# Altium PCB HBS V1.0.PcbDoc (part 4 of 4)
Units mil, origin at the board's own origin, x right, y up, seen from the top; angles counter-clockwise.
Board outline 5405 x 4190 mil, 4 copper layers (Top Layer, Internal Plane 1, Internal Plane 2, Bottom Layer), stack 18.2 mil thick; 428 components, 294 nets, 1249 pads, 155 vias.
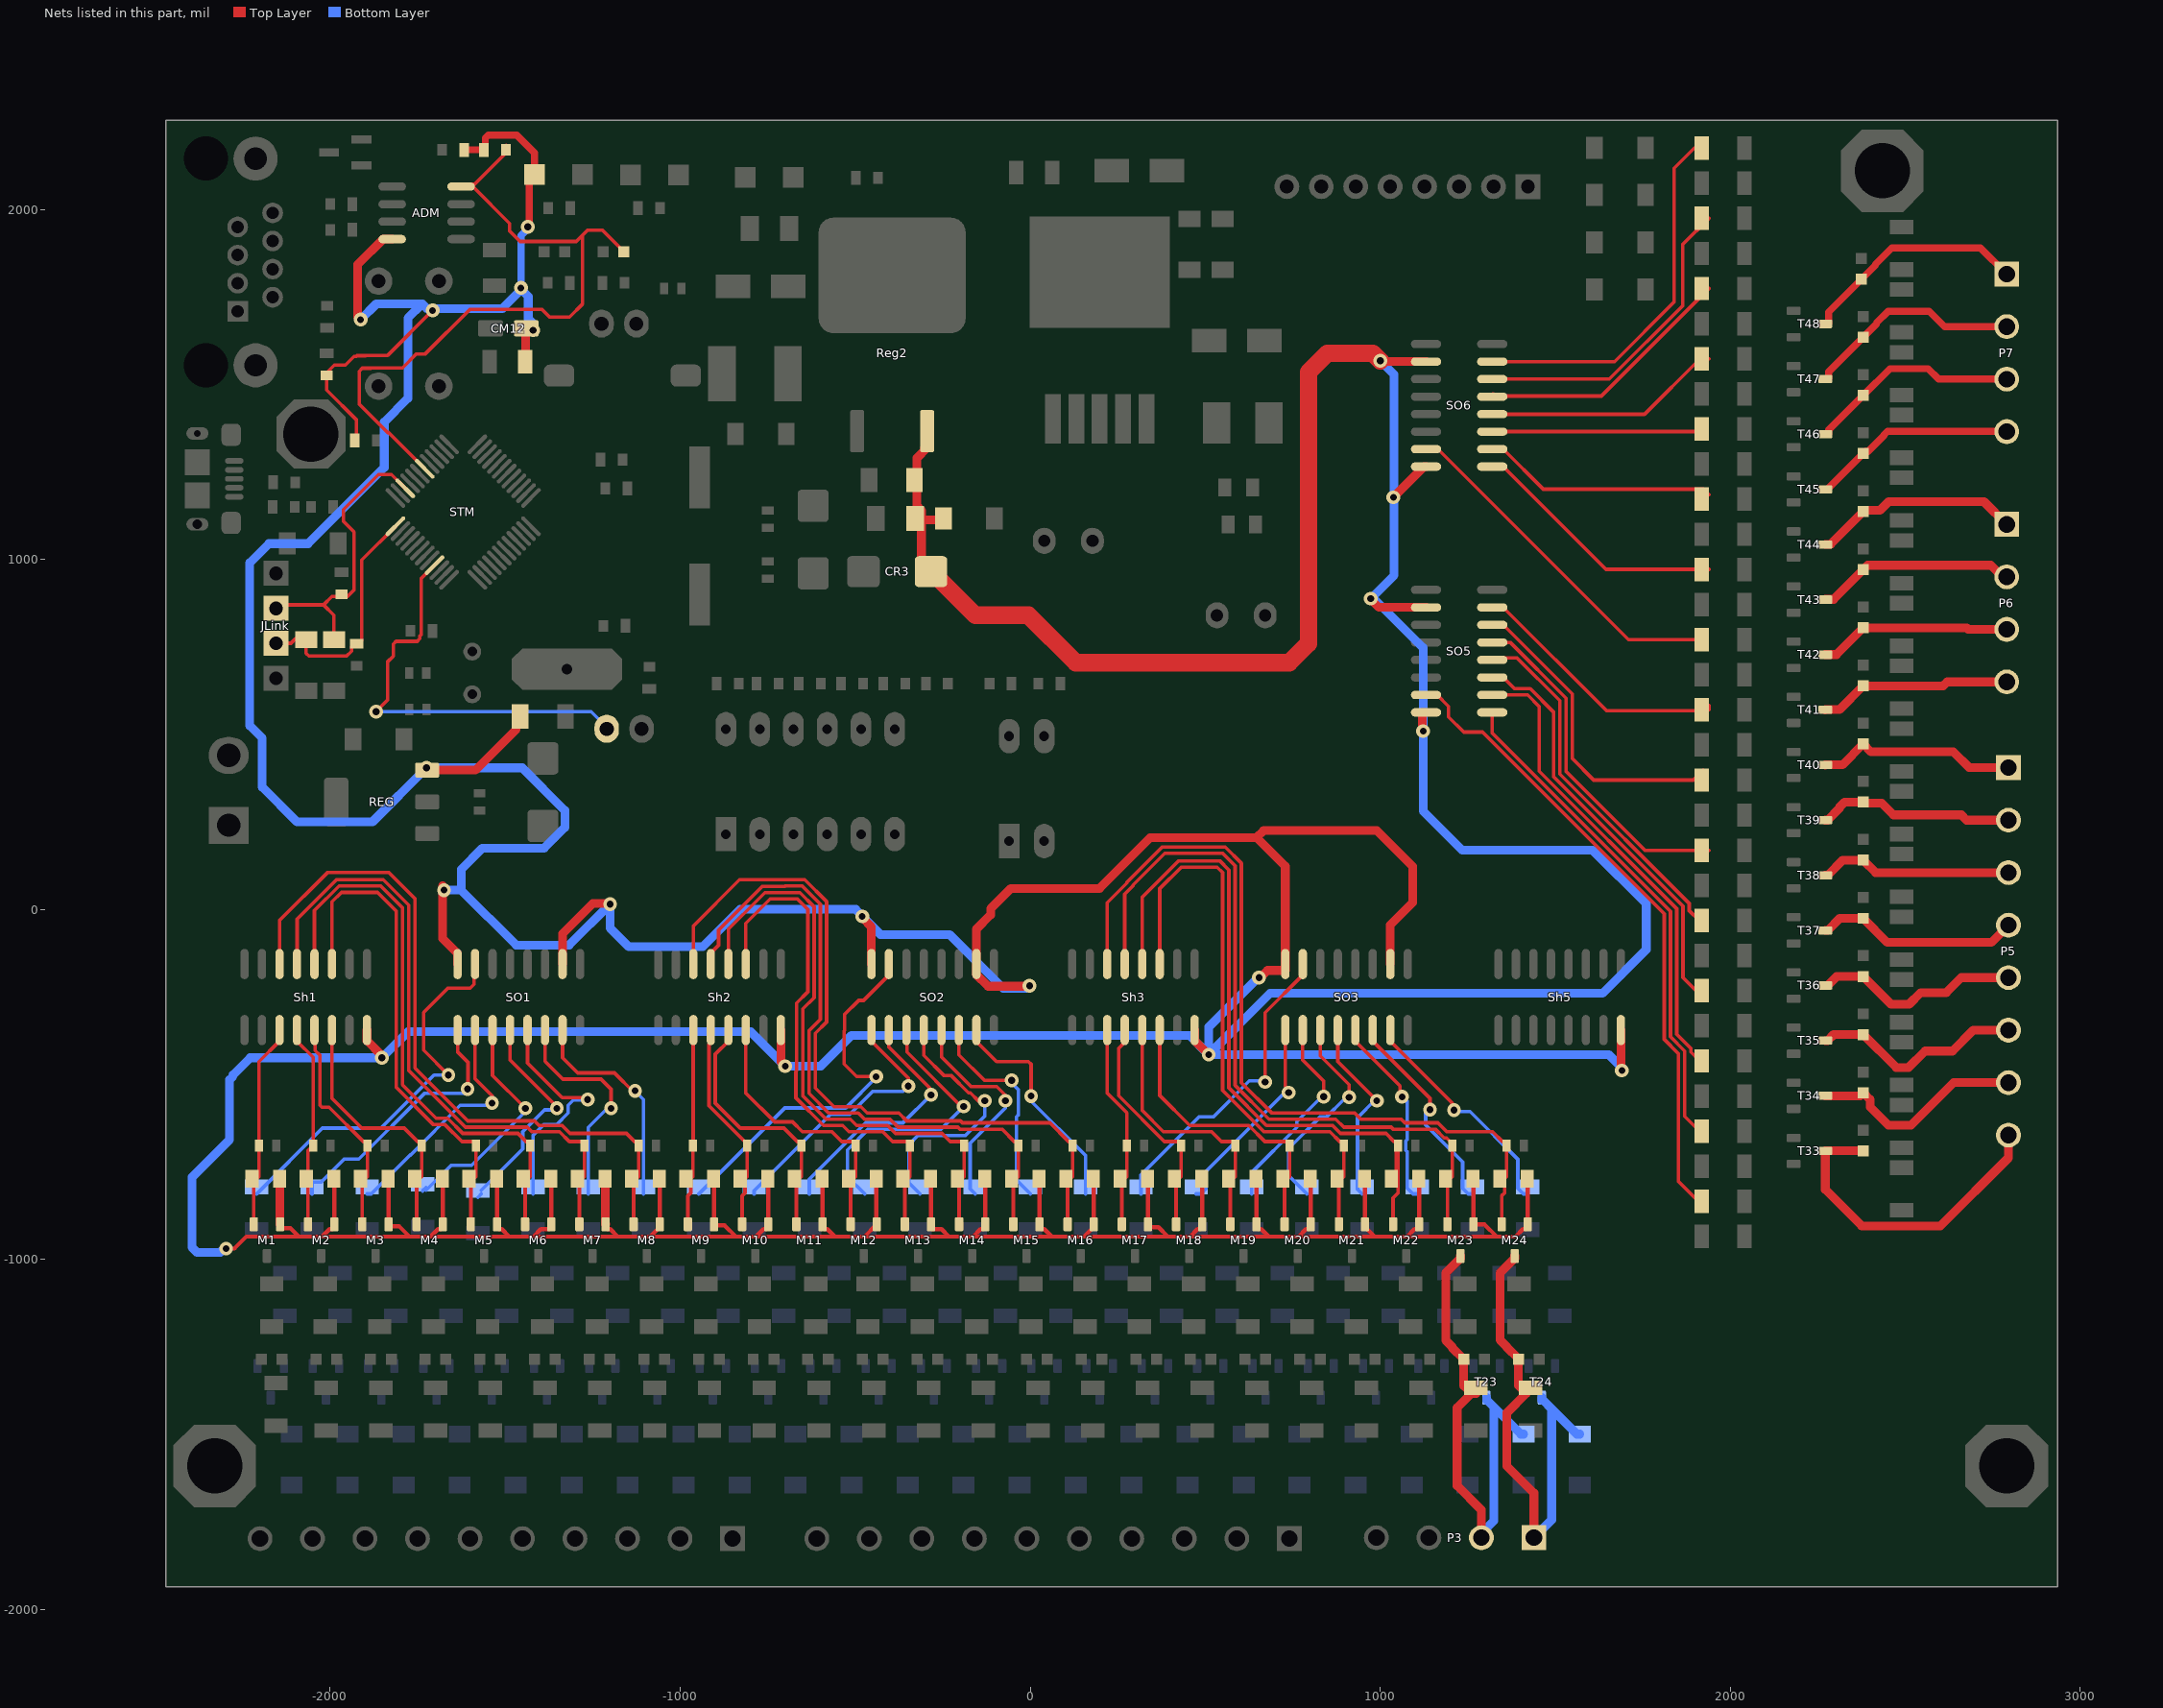
[diagram p6: the nets of this part, all layers, seen from the top]

## Via types
v1: diameter 39.37, hole 19.68, Top Layer to Bottom Layer, 154 vias
v2: diameter 78.74, hole 39.37, Top Layer to Bottom Layer, 1 vias

## Nets (pads, with @x,y where several pads share a name; then routed paths per layer and width w, separated by ;. In a path a pad name is that pad's centre, name@x,y a point inside that pad or via, vN(x,y) a via of type N, cw(c..) or ccw(c..) an arc to the next point about the centre after c; other vN are vias at no path point) (continued)
SI24_22: DT23.2 L23.2 M23.3 P3.2 RJ23.1 T23.3 | length 1451.4
  Top Layer w25: M23.3@1229.21,-990.2 1229.21,-996.69 1187.48,-1038.42 1187.48,-1231.32 1205.43,-1249.27 1205.43,-1251.89 L23.2@1238.54,-1285 1238.54,-1360.56 RJ23.1@1260.77,-1382.8 ; RJ23.1@1273.57,-1382.8 RJ23.1@1260.77,-1382.8 ; P3.2@1289.04,-1795 1289.04,-1715.7 1219.73,-1646.39 1219.73,-1423.84 RJ23.1@1260.77,-1382.8
  Bottom Layer w25: P3.2@1289.04,-1795 1289.04,-1782.59 1325,-1746.63 1325,-1422.27 ; T23.3@1303.87,-1395 1303.87,-1401.5 1304.56,-1402.19 1304.92,-1402.19 1325,-1422.27 ; DT23.2@1409.72,-1499.11 1401.84,-1499.11 1325,-1422.27
SI24_23: DT24.2 L24.2 M24.3 P3.1 RJ24.1 T24.3 | length 1453.2
  Top Layer w25: M24.3@1384.21,-990.2 1384.21,-996.69 1342.48,-1038.42 1342.48,-1230.15 1361.6,-1249.27 1361.6,-1251.1 L24.2@1394.71,-1284.21 ; L24.2@1395.47,-1284.98 L24.2@1394.71,-1284.21 ; P3.1@1439.04,-1795 1439.04,-1667.74 1361.3,-1590 1361.3,-1514.35 1361.6,-1514.05 1361.6,-1438.4 1417.2,-1382.8 1394.71,-1360.3 L24.2@1394.71,-1284.21
  Bottom Layer w25: P3.1@1439.04,-1795 1490,-1744.04 1490,-1427.27 ; T24.3@1461.77,-1395 1461.77,-1401.5 1462.46,-1402.19 1464.92,-1402.19 1490,-1427.27 ; DT24.2@1569.72,-1499.11 1561.84,-1499.11 1490,-1427.27
Sig_0: RF1.2 SO1.15 | length 1133.5
  Top Layer w10: v1(-1662.32,-473.34) -1733.5,-402.16 -1733.5,-294.61 -1663.89,-225 -1600,-225 -1588.84,-213.84 -1588.84,-158.63 SO1.15@-1586.23,-156.02
  Bottom Layer w10: RF1.2@-2210,-812.8 -2022.2,-625 -1855,-625 -1703.34,-473.34 v1(-1662.32,-473.34)
Sig_1: RF2.2 SO1.1 | length 782
  Top Layer w10: SO1.1@-1636.23,-345 -1636.23,-406.84 -1606.33,-436.74 -1606.33,-512.29 v1@-1600,-518.61
  Bottom Layer w10: RF2.2@-2052.1,-812.8 -2052.1,-778.7 -2025.05,-778.7 -1959.96,-713.61 -1918.34,-713.61 -1729.72,-525 -1605,-525 v1@-1600,-520
  other v1: -1607.67,-513.34
Sig_2: RF3.2 SO1.2 | length 697.4
  Top Layer w10: SO1.2@-1586.23,-345 -1586.23,-483.77 -1537.67,-532.33 v1(-1537.67,-553.34)
  Bottom Layer w10: RF3.2@-1894.19,-812.8 -1882.92,-812.8 -1771.78,-701.65 -1770.26,-701.65 -1628.6,-560 v1@-1530,-560
Sig_3: RF4.2 SO1.3 | length 671.2
  Top Layer w10: SO1.3@-1536.23,-345 -1536.23,-474.4 v1(-1442.3,-568.34)
  Bottom Layer w10: RF4.2@-1736.29,-804.84 RF4.2@-1726.37,-794.92 ; RF4.2@-1726.37,-802.87 -1654.39,-730.9 -1595.9,-730.9 v1@-1430,-565
Sig_4: RF5.2 SO1.4 | length 634.4
  Top Layer w10: SO1.4@-1486.23,-345 -1486.23,-430.01 -1352.67,-563.57 v1(-1352.67,-568.34)
  Bottom Layer w10: RF5.2@-1578.39,-822.72 RF5.2@-1568.47,-812.8 ; RF5.2@-1568.47,-802.87 -1450,-684.41 -1450,-635.25 -1387.36,-572.6 -1356.93,-572.6 v1(-1352.67,-568.34)
Sig_5: RF6.2 SO1.5 | length 686
  Top Layer w10: SO1.5@-1436.23,-345 -1436.23,-438.73 -1337.24,-537.72 -1270.07,-537.72 v1(-1264.45,-543.34)
  Bottom Layer w10: RF6.2@-1420.48,-812.8 -1420.48,-645.48 -1390,-615 -1353.29,-615 -1320.11,-581.82 -1320.11,-560.11 -1305,-545 v1@-1265,-545
Sig_6: RF7.2 SO1.6 | length 637
  Top Layer w10: SO1.6@-1386.23,-345 -1386.23,-433.95 -1335.18,-485 -1226.29,-485 -1197.37,-513.93 v1(-1197.37,-568.34)
  Bottom Layer w10: RF7.2@-1262.58,-812.8 -1262.58,-622.58 v1@-1205,-565
Sig_7: RF8.2 SO1.7 | length 627.8
  Top Layer w10: SO1.7@-1336.23,-345 -1336.23,-423.75 -1292.86,-467.13 -1188.15,-467.13 v1@-1132.67,-522.61
  Bottom Layer w10: v1(-1129.03,-518.34) -1129.03,-518.69 -1104.68,-543.04 RF8.2@-1104.68,-812.8
Sig_8: RF9.2 SO2.15 | length 1099.7
  Top Layer w10: v1(-440.21,-477.77) -496.12,-477.77 -531.97,-441.92 -531.97,-346.97 -530,-345 -530,-300 -490,-260 -476.21,-260 -403.73,-187.52 SO2.15@-403.73,-156.02
  Bottom Layer w10: RF9.2@-946.77,-812.8 -701.1,-567.13 -527.13,-567.13 v1@-438.99,-478.99
Sig_9: RF10.2 SO2.1 | length 777
  Top Layer w10: SO2.1@-453.73,-345 -453.73,-376.5 -348.27,-481.96 v1(-348.27,-505)
  Bottom Layer w10: RF10.2@-788.87,-812.8 -788.87,-803.87 -570,-585 -515,-585 -450,-520 -363.27,-520 v1(-348.27,-505)
Sig_10: RF11.2 SO2.2 | length 722
  Top Layer w10: SO2.2@-403.73,-345 -403.73,-393.59 -370,-427.32 -288.38,-508.94 v1@-288.38,-530
  Bottom Layer w10: RF11.2@-630.97,-812.8 -630.97,-770.97 -470,-610 -363.39,-610 v1(-283.39,-530)
Sig_11: RF12.2 SO2.3 | length 822
  Top Layer w10: SO2.3@-353.73,-345 -352.13,-346.6 -352.13,-407.87 v1@-190,-570
  Bottom Layer w10: RF12.2@-473.06,-812.8 -522.07,-763.79 -522.07,-687.35 -462.6,-627.87 -254.54,-627.87 v1(-190,-563.34)
Sig_12: RF13.2 SO2.4 | length 747.7
  Top Layer w10: SO2.4@-303.73,-345 -303.73,-417.39 -246.03,-475.1 -225.18,-475.1 -176.4,-523.88 -171.22,-523.88 -148.42,-546.68 v1(-129.78,-546.68)
  Bottom Layer w10: RF13.2@-315.16,-812.8 -346.08,-781.88 -346.08,-671.57 -320.26,-645.75 -184.89,-645.75 -129.78,-590.63 v1(-129.78,-546.68)
Sig_13: RF14.2 SO2.5 | length 634.1
  Top Layer w10: SO2.5@-253.73,-345 -253.73,-421.27 -169,-506 -138.38,-506 -138.17,-506.21 -95.8,-506.21 -70.95,-531.06 v1(-70.95,-546.68)
  Bottom Layer w10: RF14.2@-157.26,-812.8 -171.85,-798.21 -171.85,-668.12 -70.95,-567.22 v1(-70.95,-546.68)
Sig_14: RF15.2 SO2.6 | length 602.8
  Top Layer w10: SO2.6@-203.73,-345 -203.73,-415.38 -130.77,-488.34 v1(-53.14,-488.34)
  Bottom Layer w10: v1(-53.14,-488.34) -53.14,-496.29 -33.38,-516.05 -33.38,-586.73 -39.21,-592.56 -39.21,-772.95 RF15.2@0.64,-812.8
Sig_15: RF16.2 SO2.7 | length 645
  Top Layer w10: SO2.7@-153.73,-345 -153.73,-377.28 -96.01,-435 -5,-435 2.33,-442.33 v1(2.33,-533.34)
  Bottom Layer w10: v1@-0.61,-540 -0.61,-544.56 158.55,-703.72 RF16.2@158.55,-812.8
Sig_16: RF17.2 SO3.15 | length 911
  Top Layer w10: v1(670.98,-493.34) 670.98,-295.31 778.77,-187.52 SO3.15@778.77,-156.02
  Bottom Layer w10: RF17.2@316.45,-812.8 316.45,-758.55 481.95,-593.05 522.69,-593.05 625.74,-490 v1@680,-490
Sig_17: RF18.2 SO3.1 | length 592.2
  Top Layer w10: SO3.1@728.77,-345 728.77,-506 738.17,-515.4 v1(738.17,-523.35)
  Bottom Layer w10: RF18.2@474.35,-812.8 487.15,-812.8 502.82,-797.13 502.82,-747.59 720.4,-530.01 v1@738.17,-530.01
Sig_18: RF19.2 SO3.2 | length 586.6
  Top Layer w10: SO3.2@778.77,-345 778.27,-345.5 778.27,-430 838.56,-490.29 v1(838.56,-535.23)
  Bottom Layer w10: RF19.2@632.26,-812.8 632.26,-752.21 761.86,-622.62 761.86,-606.32 808.18,-560 826.29,-541.89 v1@846.23,-541.89
Sig_19: RF20.2 SO3.3 | length 615.8
  Top Layer w10: SO3.3@828.77,-345 828.77,-418.39 911.31,-500.93 v1(911.31,-536.68)
  Bottom Layer w10: RF20.2@790.16,-812.8 738.17,-760.81 738.17,-683.15 827.98,-593.34 846.23,-593.34 896.23,-543.34 v1@918.98,-543.34
Sig_20: RF21.2 SO3.4 | length 550.5
  Top Layer w10: SO3.4@878.77,-345 878.77,-435.11 v1(990.33,-546.68)
  Bottom Layer w10: RF21.2@948.06,-812.8 935,-799.73 935,-595.11 985.11,-545 v1@993.76,-545
Sig_21: RF22.2 SO3.5 | length 559.5
  Top Layer w10: SO3.5@928.77,-345 928.77,-376.5 1056.71,-504.44 1056.71,-529.83 v1(1062.33,-535.45)
  Bottom Layer w10: v1@1057.9,-530.01 1077.5,-549.61 1077.5,-657.17 1073.23,-661.44 1073.23,-688.41 1077.5,-692.68 1077.5,-797.13 1093.17,-812.8 RF22.2@1105.97,-812.8
Sig_22: RF23.2 SO3.6 | length 600.8
  Top Layer w10: SO3.6@978.77,-345 978.77,-376.5 1142.33,-540.06 v1(1142.33,-572.32)
  Bottom Layer w10: v1@1130,-570 1130,-615.86 1235.41,-721.26 1235.41,-797.13 1251.08,-812.8 RF23.2@1263.87,-812.8
Sig_23: RF24.2 SO3.7 | length 664.8
  Top Layer w10: SO3.7@1028.77,-345 1028.77,-376.5 1205.26,-552.98 1205.26,-567.72 v1(1210.88,-573.34)
  Bottom Layer w10: v1@1206.95,-577.26 1210.88,-577.26 1256.41,-577.26 1393.31,-714.16 1393.31,-797.13 1408.98,-812.8 RF24.2@1421.77,-812.8
Sig_32: RF33.2 SO5.15 | length 1829
  Top Layer w10: SO5.15@1131.02,612.78 1162.52,612.78 1195.3,580 1195.3,549.74 1238.54,506.5 1292.1,506.5 1811.38,-12.77 1811.38,-371.38 1852.13,-412.13 1852.13,-777.13 1909.14,-834.14 RF33.2@1919.06,-834.14
Sig_33: RF34.2 SO5.1 | length 1448.4
  Top Layer w10: SO5.1@1320,562.78 1320,503.88 1829.25,-5.37 1829.25,-363.97 1870,-404.72 1870,-591.3 1912.24,-633.53 RF34.2@1919.06,-633.53
Sig_34: RF35.2 SO5.2 | length 1356.7
  Top Layer w10: SO5.2@1320,612.78 1421.2,612.78 1454.53,579.45 1454.53,394.63 1847.13,2.03 1847.13,-356.57 1887.87,-397.32 1887.87,-407.82 1912.98,-432.92 RF35.2@1919.06,-432.92
Sig_35: RF36.2 SO5.3 | length 1197.8
  Top Layer w10: SO5.3@1320,662.78 1351.5,662.78 1383.62,630.66 1428.6,630.66 1495,564.26 1495,379.44 1865,9.44 1865,-195 1902.32,-232.32 RF36.2@1919.06,-232.32
Sig_36: RF37.2 SO5.4 | length 1046.6
  Top Layer w10: SO5.4@1320,712.78 1325.27,718.06 1391,718.06 1512.87,596.18 1512.87,386.84 1882.87,16.84 1882.87,-3.87 1910.71,-31.71 RF37.2@1919.06,-31.71
Sig_37: RF38.2 SO5.5 | length 988.6
  Top Layer w10: SO5.5@1320.74,763.53 SO5.5@1320,762.78 1371.55,762.78 1530.75,603.59 1530.75,394.24 1756.09,168.9 RF38.2@1919.06,168.9 RF38.2@1938.9,168.9
Sig_38: RF39.2 SO5.6 | length 906.9
  Top Layer w10: SO5.6@1320,812.78 1351.5,812.78 1548.62,615.66 1548.62,430.89 1610,369.51 1894.76,369.51 RF39.2@1923.23,397.98
Sig_39: RF40.2 SO5.7 | length 760.5
  Top Layer w10: SO5.7@1320,862.78 1351.5,862.78 1646.95,567.33 1923.31,567.33 1938.9,582.92 RF40.2@1938.9,570.12
Sig_40: RF41.2 SO6.15 | length 1015.5
  Top Layer w10: SO6.15@1131.02,1315 1165,1315 1709.27,770.73 RF41.2@1919.06,770.73 RF41.2@1921.1,770.73
Sig_41: RF42.2 SO6.1 | length 740.5
  Top Layer w10: SO6.1@1320,1265 1351.5,1265 1645.15,971.34 RF42.2@1938.9,971.34
Sig_42: RF43.2 SO6.2 | length 672.8
  Top Layer w10: SO6.2@1320,1315 1351.5,1315 1466.08,1200.42 1923.23,1200.42 RF43.2@1938.9,1184.75
Sig_43: RF44.2 SO6.3 | length 611.3
  Top Layer w10: SO6.3@1320,1365 RF44.2@1931.34,1365
Sig_44: RF45.2 SO6.4 | length 684.8
  Top Layer w10: SO6.4@1320,1415 1320.41,1414.59 1755,1414.59 1913.58,1573.17 RF45.2@1938.9,1573.17
Sig_45: RF46.2 SO6.5 | length 750.2
  Top Layer w10: SO6.5@1320,1465 1321.66,1466.66 1631.78,1466.66 RF46.2@1938.9,1773.78
  Top Layer w20: SO6.5@1320,1465 SO6.5@1322.39,1467.39
Sig_46: RF47.2 SO6.6 | length 911.9
  Top Layer w10: SO6.6@1320,1515 1654.84,1515 1864.51,1724.67 1864.51,1900 RF47.2@1938.9,1974.39
Sig_47: RF48.2 SO6.7 | length 1075.5
  Top Layer w10: SO6.7@1320,1565 1669.43,1565 1840,1735.57 1840,2117.6 1897.4,2175 RF48.2@1919.06,2175
SIMu_0: CY1.2 M1.2 RA1.2 Sh1.11 | length 585
  Top Layer w10: M1.2@-2218.2,-899.65 -2218.2,-777.89 -2209.74,-769.43 -2203.7,-763.39 CY1.2@-2203.7,-674.92 -2203.7,-435.2 -2145,-376.5 Sh1.11@-2145,-345
SIMu_1: CY2.2 M2.2 RA2.2 Sh1.12 | length 587.4
  Top Layer w10: Sh1.12@-2095,-345 -2095,-376.5 -2048.7,-422.79 CY2.2@-2048.7,-674.92 -2063.2,-689.41 RA2.2@-2063.2,-774.75 ; RA2.2@-2068.52,-769.43 RA2.2@-2063.2,-774.75 ; M2.2@-2063.2,-899.65 RA2.2@-2063.2,-774.75
SIMu_2: CY3.2 M3.2 RA3.2 Sh1.13 | length 638
  Top Layer w10: Sh1.13@-2045,-345 -2042.91,-347.09 -2042.91,-403.31 -2029.6,-416.61 -2029.6,-559.14 -2023.75,-565 -2003.62,-565 -1905.43,-663.19 -1900.51,-663.19 -1893.7,-670 CY3.2@-1893.7,-674.92 -1893.7,-763.39 -1899.74,-769.43 -1908.2,-777.89 M3.2@-1908.2,-899.65
SIMu_3: CY4.2 M4.2 RA4.2 Sh1.14 | length 740.7
  Top Layer w10: Sh1.14@-1995,-345 -1995,-539.76 -1909.76,-625 -1788.62,-625 -1750.43,-663.19 -1745.51,-663.19 -1738.7,-670 CY4.2@-1738.7,-674.92 -1738.7,-763.39 -1744.74,-769.43 -1753.2,-777.89 M4.2@-1753.2,-899.65
SIMu_4: CY5.2 M5.2 RA5.2 Sh1.3 | length 1428.3
  Top Layer w10: Sh1.3@-1995,-156.02 -1995,21.44 -1967.88,48.56 -1865,48.56 -1811.44,-5 -1811.44,-508.56 -1705,-615 -1671.85,-615 -1623.66,-663.19 -1590.51,-663.19 -1583.7,-670 CY5.2@-1583.7,-674.92 -1583.7,-763.39 -1589.74,-769.43 -1598.2,-777.89 M5.2@-1598.2,-899.65
SIMu_5: CY6.2 M6.2 RA6.2 Sh1.4 | length 1635.5
  Top Layer w10: Sh1.4@-2045,-156.02 -2045,-3.28 -1974.59,67.13 -1856.02,67.13 -1793.56,4.67 -1793.56,-501.16 -1697.6,-597.13 -1664.45,-597.13 -1621.57,-640 -1463.62,-640 -1440.43,-663.19 -1435.51,-663.19 -1428.7,-670 CY6.2@-1428.7,-674.92 -1428.7,-763.39 -1434.74,-769.43 -1443.2,-777.89 M6.2@-1443.2,-899.65
SIMu_6: CY7.2 M7.2 RA7.2 Sh1.5 | length 1821.4
  Top Layer w10: Sh1.5@-2095,-156.02 -2094.42,-155.45 -2094.42,-27.43 -1981.99,85 -1848.62,85 -1775.69,12.07 -1775.69,-460.61 -1614.17,-622.13 -1436.88,-622.13 -1424,-635 -1344.79,-635 -1316.6,-663.19 -1280.51,-663.19 -1273.7,-670 CY7.2@-1273.7,-674.92 -1273.7,-763.39 -1279.74,-769.43 -1288.2,-777.89 M7.2@-1288.2,-899.65
SIMu_7: CY8.2 M8.2 RA8.2 Sh1.6 | length 2047.3
  Top Layer w10: Sh1.6@-2145,-156.02 -2145,-31.83 -2008.17,105 -1832.13,105 -1757.82,30.69 -1757.82,-453.2 -1606.77,-604.25 -1416.05,-604.25 -1403.17,-617.13 -1337.39,-617.13 -1314.52,-640 -1153.62,-640 -1130.43,-663.19 -1125.51,-663.19 -1118.7,-670 CY8.2@-1118.7,-674.92 -1118.7,-763.39 -1124.74,-769.43 -1133.2,-777.89 M8.2@-1133.2,-899.65
SIMu_8: CY9.2 M9.2 RA9.2 Sh2.11 | length 561.1
  Top Layer w10: M9.2@-978.2,-899.65 -978.2,-818.48 -969.74,-810.02 -969.74,-769.43 -963.7,-763.39 CY9.2@-963.7,-674.92 -963.1,-674.32 -963.1,-345.6 Sh2.11@-962.5,-345
SIMu_9: CY10.2 M10.2 RA10.2 Sh2.12 | length 608
  Top Layer w10: Sh2.12@-912.5,-345 -912.5,-380.18 -917.74,-385.42 -917.74,-560.97 -808.7,-670 -808.7,-763.39 -814.74,-769.43 -814.74,-810.02 -823.2,-818.48 M10.2@-823.2,-899.65
SIMu_10: CY11.2 M11.2 RA11.2 Sh2.13 | length 754.1
  Top Layer w10: Sh2.13@-862.5,-345 -862.5,-376.5 -899.86,-413.86 -899.86,-553.56 -828.42,-625 -703.62,-625 -665.43,-663.19 -660.51,-663.19 -653.7,-670 CY11.2@-653.7,-674.92 -653.7,-763.39 -659.74,-769.43 -668.2,-777.89 M11.2@-668.2,-899.65
SIMu_11: CY12.2 M12.2 RA12.2 Sh2.14 | length 789.3
  Top Layer w10: Sh2.14@-812.5,-345 -812.5,-524.63 -730,-607.13 -678.94,-607.13 -651.06,-635 -566.85,-635 -538.66,-663.19 -505.51,-663.19 -498.7,-670 CY12.2@-498.7,-674.92 -498.7,-763.39 -504.74,-769.43 -513.2,-777.89 M12.2@-513.2,-899.65
SIMu_12: CY13.2 M13.2 RA13.2 Sh2.3 | length 1502.9
  Top Layer w10: Sh2.3@-812.5,-156.02 -812.5,-40 -742.68,29.82 -665.24,29.82 -635.42,0 -635.42,-235.58 -667.44,-267.61 -667.44,-461.46 -669.49,-463.51 -669.49,-538.43 -590.79,-617.13 -536.17,-617.13 -518.3,-635 -421.19,-635 -393,-663.19 -350.51,-663.19 -343.7,-670 CY13.2@-343.7,-674.92 -343.7,-763.39 -349.74,-769.43 -358.2,-777.89 M13.2@-358.2,-899.65
SIMu_13: CY14.2 M14.2 RA14.2 Sh2.4 | length 1711
  Top Layer w10: Sh2.4@-862.5,-156.02 -862.5,-56.76 -758.04,47.7 -657.84,47.7 -617.54,7.4 -617.54,-252.18 -649.44,-284.08 -649.44,-533.2 -583.39,-599.25 -513.54,-599.25 -495.66,-617.13 -407.87,-617.13 -385,-640 -251.74,-640 -228.55,-663.19 -195.51,-663.19 -188.7,-670 CY14.2@-188.7,-674.92 -188.7,-763.39 -194.74,-769.43 -203.2,-777.89 M14.2@-203.2,-899.65
SIMu_14: CY15.2 M15.2 RA15.2 Sh2.5 | length 1917.3
  Top Layer w10: Sh2.5@-912.5,-156.02 -912.5,-124.53 -890.45,-102.48 -890.45,-59.44 -765.44,65.57 -701.09,65.57 -700,66.66 -651.52,66.66 -599.67,14.81 -599.67,-314.45 -631.57,-346.35 -631.57,-525.79 -575.98,-581.38 -491.44,-581.38 -473.56,-599.25 -400.47,-599.25 -377.6,-622.13 -206.77,-622.13 -201.02,-627.87 -80.75,-627.87 -45.43,-663.19 -40.51,-663.19 -33.7,-670 CY15.2@-33.7,-674.92 -33.7,-763.39 -39.74,-769.43 -48.2,-777.89 M15.2@-48.2,-899.65
SIMu_15: CY16.2 M16.2 RA16.2 Sh2.6 | length 2152.1
  Top Layer w10: Sh2.6@-962.5,-156.02 -962.5,-47.5 -830.46,84.54 -644.12,84.54 -581.8,22.21 -581.8,-321.85 -613.7,-353.75 -613.7,-510 -560.19,-563.5 -484.03,-563.5 -466.16,-581.38 -375.63,-581.38 -352.76,-604.25 -199.36,-604.25 -193.62,-610 56.38,-610 109.57,-663.19 114.49,-663.19 121.3,-670 CY16.2@121.3,-674.92 121.3,-763.39 115.26,-769.43 106.8,-777.89 M16.2@106.8,-899.65
SIMu_16: CY17.2 M17.2 RA17.2 Sh3.11 | length 584
  Top Layer w10: Sh3.11@220,-345 220,-525 276.3,-581.3 CY17.2@276.3,-674.92 276.3,-763.39 270.26,-769.43 261.8,-777.89 M17.2@261.8,-899.65
SIMu_17: CY18.2 M18.2 RA18.2 Sh3.12 | length 665.9
  Top Layer w10: Sh3.12@270,-345 270,-379.69 252.64,-397.05 252.64,-532.36 383.47,-663.19 424.49,-663.19 431.3,-670 CY18.2@431.3,-674.92 431.3,-763.39 425.26,-769.43 416.8,-777.89 M18.2@416.8,-899.65
SIMu_18: CY19.2 M19.2 RA19.2 Sh3.13 | length 771
  Top Layer w10: Sh3.13@320,-345 320,-574.44 380.56,-635 518.15,-635 546.34,-663.19 579.49,-663.19 586.3,-670 CY19.2@586.3,-674.92 586.3,-763.39 580.26,-769.43 571.8,-777.89 M19.2@571.8,-899.65
SIMu_19: CY20.2 M20.2 RA20.2 Sh3.14 | length 850.9
  Top Layer w10: Sh3.14@370,-345 370,-531.68 455.45,-617.13 624.24,-617.13 670.31,-663.19 734.49,-663.19 741.3,-670 CY20.2@741.3,-674.92 741.3,-763.39 735.26,-769.43 726.8,-777.89 M20.2@726.8,-899.65
SIMu_20: CY21.2 M21.2 RA21.2 Sh3.3 | length 1695.1
  Top Layer w10: Sh3.3@370,-156.02 370,59.33 431.53,120.86 534.14,120.86 549.76,105.24 549.76,-517.37 667.4,-635 856.38,-635 884.57,-663.19 889.49,-663.19 896.3,-670 CY21.2@896.3,-674.92 896.3,-763.39 890.26,-769.43 881.8,-777.89 M21.2@881.8,-899.65
SIMu_21: CY22.2 M22.2 RA22.2 Sh3.4 | length 2003.1
  Top Layer w10: Sh3.4@320,-156.02 320,34.61 424.13,138.73 541.55,138.73 567.64,112.64 567.64,-509.97 674.8,-617.13 863.78,-617.13 886.65,-640 1016.38,-640 1039.57,-663.19 1044.49,-663.19 1051.3,-670 CY22.2@1051.3,-674.92 ; RA22.2@1031.48,-769.43 1045.18,-755.73 1045.18,-681.03 CY22.2@1051.3,-674.92 ; M22.2@1036.8,-899.65 1036.8,-824.51 1051.3,-810.02 CY22.2@1051.3,-674.92
SIMu_22: CY23.2 M23.2 RA23.2 Sh3.5 | length 2132.2
  Top Layer w10: Sh3.5@270,-156.02 270,43.42 294.17,67.6 294.17,69.97 384.21,160 550,160 585.51,124.49 585.51,-502.56 682.2,-599.25 872.84,-599.25 895.72,-622.13 1031.06,-622.13 1036.81,-627.87 1157.6,-627.87 1182.6,-652.87 1189.17,-652.87 1206.3,-670 CY23.2@1206.3,-674.92 1206.3,-763.39 1200.26,-769.43 1191.8,-777.89 M23.2@1191.8,-899.65
SIMu_23: CY24.2 M24.2 RA24.2 Sh3.6 | length 2337.5
  Top Layer w10: Sh3.6@220,-156.02 220,18.7 276.3,75 276.3,77.37 376.8,177.87 557.4,177.87 603.39,131.89 603.39,-495.16 689.53,-581.3 926.55,-581.3 944.51,-599.25 1060.16,-599.25 1070.91,-610 1165,-610 1190,-635 1321.38,-635 1349.57,-663.19 1354.49,-663.19 1361.3,-670 CY24.2@1361.3,-674.92 1361.3,-763.39 1355.26,-769.43 1355.26,-810.02 1346.8,-818.48 M24.2@1346.8,-899.65
Speed_Connection: SPD.2 STM.45 | length 1214
  Top Layer w10: v1@-1875.43,558.77 -1836.43,597.77 -1836.43,706.76 -1819.66,723.52 -1819.66,757.94 -1811.79,765.82 -1751.67,765.82 -1743.8,773.69 -1743.8,780.76 -1740.45,784.11 -1740.45,944.95 STM.45@-1702.12,983.28
  Bottom Layer w10: v1(-1869.12,565.08) -1254.23,565.08 -1210,520.85 SPD.2@-1210,515.85
SWCLk: DZ17.2 JLink.2 R15.2 STM.37 | length 689.1
  Top Layer w10: JLink.2@-2155,760.17 -2112.26,760.17 -2085.27,787.16 DZ17.2@-2070.18,787.16 ; DZ17.2@-2069.01,770.37 -2069.01,731.74 -2061.26,723.99 -1953.16,723.99 -1939.12,738.03 -1939.12,750.22 -1930.34,759 R15.2@-1924.44,759 -1918.53,759 -1909.75,767.78 -1909.75,998.36 STM.37@-1813.48,1094.63
SWIO: DZ18.2 JLink.3 R16.1 STM.34 | length 833.3
  Top Layer w10: JLink.3@-2155,860.17 -2145.17,870 -2018.98,870 ; DZ18.2@-1989.51,770.37 -1989.51,840.52 -2018.98,870 ; STM.34@-1785.64,1203.21 -1824.79,1242.35 -1862.11,1242.35 -1962.03,1142.44 -1962.03,1108.64 -1931.64,1078.26 -1931.64,912.66 -1950.34,893.97 -1995,893.97 -2018.98,870
TxComm: ADM.4 R'18.1 STM.30 Tx.1 | length 2037
  Top Layer w10: STM.30@-1729.96,1258.88 -1833.57,1362.49 -1836.13,1362.49 -1917.13,1443.49 -1917.13,1537.6 -1908.72,1546 -1884.54,1546 -1883.3,1547.24 -1793.65,1547.24 -1753.77,1587.13 -1728.24,1587.13 -1600.99,1714.37 -1395.09,1714.37 -1373.16,1692.44 -1316.51,1692.44 -1278.72,1730.24 -1278.72,1926.48 ; ADM.4@-1626.04,2065 -1625.91,2065.13 ADM.4@-1602.04,2065.13 ; R'18.1@-1497.68,2182.4 -1497.68,2161.12 -1587.5,2071.29 -1595.87,2071.29 ADM.4@-1602.04,2065.13 ; Tx.1@-1160.98,1879.17 -1222.01,1940.2 -1265,1940.2 -1278.72,1926.48 ; ADM.4@-1602.04,2065.13 -1592.64,2065.13 -1487.56,1960.04 -1487.56,1938.34 -1457.55,1908.32 -1296.87,1908.32 -1278.72,1926.48
VCC: 5V.1 ADM.8 CM12.1 CM13.1 CR2.1 CR3.1 DP1.1 DP2.2 DZ1.2 M1.1 M2.1 M3.1 M4.1 M5.1 M6.1 M7.1 M8.1 M9.1 M10.1 M11.1 M12.1 M13.1 M14.1 M15.1 M16.1 M17.1 M18.1 M19.1 M20.1 M21.1 M22.1 M23.1 M24.1 R'15.2 R'16.2 R'18.2 RA1.1 RA2.1 RA3.1 RA4.1 RA5.1 RA6.1 RA7.1 RA8.1 RA9.1 RA10.1 RA11.1 RA12.1 RA13.1 RA14.1 RA15.1 RA16.1 RA17.1 RA18.1 RA19.1 RA20.1 RA21.1 RA22.1 RA23.1 RA24.1 Reg2.3 REG.3 RT2.1 Sh1.16 Sh2.16 Sh3.16 Sh5.16 SO1.10 SO1.16 SO2.10 SO2.16 SO3.10 SO3.16 SO5.10 SO5.16 SO6.10 SO6.16 | length 31504
  Top Layer w10: RT2.1@-2010,1525.87 -2007.05,1525.87 RT2.1@-2001.83,1531.09 ; R'15.2@-1924.68,1348.97 -1924.68,1398.03 -2010.37,1483.72 -2010.37,1532.75 -1988.12,1555 -1956.64,1555 -1931.64,1580 -1925.28,1580 -1923.53,1581.75 -1899.34,1581.75 -1898.1,1582.99 -1835.57,1582.99 v1(-1707.46,1711.1)
  Top Layer w12: v1(-2297.67,-969.01) -2274.01,-969.01 -2240,-935 -2089.55,-935 ; M1.1@-2143.39,-899.65 -2143.39,-905.16 -2137.58,-910.97 -2113.58,-910.97 -2089.55,-935 ; RA2.1@-1989.78,-769.43 -1988.39,-770.81 M2.1@-1988.39,-899.65 -1988.39,-907.52 -1994.2,-913.33 -2002.08,-913.33 -2023.75,-935 ; RA3.1@-1834.78,-769.43 -1833.39,-770.81 M3.1@-1833.39,-899.65 -1828.1,-904.94 -1803.58,-904.94 -1773.52,-935 ; RA4.1@-1679.78,-769.43 -1678.39,-770.81 M4.1@-1678.39,-899.65 -1678.39,-907.52 -1684.2,-913.33 -1692.08,-913.33 -1713.75,-935 ; RA5.1@-1524.78,-769.43 -1523.39,-770.81 M5.1@-1523.39,-899.65 -1523.39,-907.52 -1517.58,-913.33 -1509.71,-913.33 -1488.04,-935 ; RA6.1@-1369.78,-769.43 -1368.39,-770.81 M6.1@-1368.39,-899.65 -1368.39,-907.52 -1374.2,-913.33 -1398.2,-913.33 -1419.87,-935 ; M7.1@-1207.58,-913.33 -1199.71,-913.33 -1178.04,-935 ; RA8.1@-1059.78,-769.43 -1058.39,-770.81 M8.1@-1058.39,-899.65 -1058.39,-907.52 -1085.87,-935 ; RA9.1@-904.78,-769.43 -903.39,-770.81 M9.1@-903.39,-899.65 -900.52,-902.52 -873.58,-902.52 -841.1,-935 ; RA10.1@-749.78,-769.43 -748.39,-770.81 M10.1@-748.39,-899.65 -748.39,-907.52 -754.2,-913.33 -762.08,-913.33 -783.75,-935 ; RA11.1@-594.78,-769.43 -593.39,-770.81 M11.1@-593.39,-899.65 -593.39,-907.52 -587.58,-913.33 -579.71,-913.33 -558.04,-935 ; RA12.1@-439.78,-769.43 -439.78,-901.03 -473.75,-935 ; RA13.1@-284.78,-769.43 -283.39,-770.81 M13.1@-283.39,-899.65 -283.39,-907.52 -277.58,-913.33 -253.58,-913.33 -231.91,-935 ; RA14.1@-129.78,-769.43 -128.39,-770.81 M14.1@-128.39,-899.65 -128.39,-907.52 -134.2,-913.33 -142.08,-913.33 -163.75,-935 ; RA15.1@25.22,-769.43 26.61,-770.81 M15.1@26.61,-899.65 26.61,-907.52 32.42,-913.33 40.29,-913.33 61.96,-935 ; RA16.1@180.22,-769.43 181.61,-770.81 M16.1@181.61,-899.65 181.61,-907.52 154.13,-935 ; RA17.1@335.22,-769.43 336.61,-770.81 M17.1@336.61,-899.65 336.61,-902.49 342.42,-908.3 366.42,-908.3 393.11,-935 ; RA18.1@490.22,-769.43 491.61,-770.81 M18.1@491.61,-899.65 491.61,-907.52 485.8,-913.33 477.92,-913.33 456.25,-935 ; RA19.1@645.22,-769.43 646.61,-770.81 M19.1@646.61,-899.65 646.61,-907.52 652.42,-913.33 660.29,-913.33 681.96,-935 ; RA20.1@800.22,-769.43 801.61,-770.81 M20.1@801.61,-899.65 801.61,-907.52 795.8,-913.33 787.92,-913.33 766.25,-935 ; RA21.1@955.22,-769.43 956.61,-770.81 M21.1@956.61,-899.65 956.61,-907.52 984.09,-935 ; RA22.1@1110.22,-769.43 1111.61,-770.81 M22.1@1111.61,-899.65 1111.61,-907.52 1105.8,-913.33 1097.92,-913.33 1076.25,-935 ; RA23.1@1265.22,-769.43 1266.61,-770.81 M23.1@1266.61,-899.65 1297.42,-899.65 1332.77,-935 ; RA24.1@1420.22,-769.43 1421.61,-770.81 M24.1@1421.61,-899.65 1421.61,-907.52 1415.8,-913.33 1407.92,-913.33 1386.25,-935 1332.77,-935 ; -2089.55,-935 -2023.75,-935 ; -2023.75,-935 -1773.52,-935 ; -1773.52,-935 -1713.75,-935 ; -1713.75,-935 -1488.04,-935 ; -1488.04,-935 -1419.87,-935 ; -1419.87,-935 -1178.04,-935 ; -1178.04,-935 -1085.87,-935 ; -1085.87,-935 -841.1,-935 ; -841.1,-935 -783.75,-935 ; -783.75,-935 -558.04,-935 ; -558.04,-935 -473.75,-935 ; -473.75,-935 -231.91,-935 ; -231.91,-935 -163.75,-935 ; -163.75,-935 61.96,-935 ; 61.96,-935 154.13,-935 ; 154.13,-935 393.11,-935 ; 393.11,-935 456.25,-935 ; 456.25,-935 681.96,-935 ; 681.96,-935 766.25,-935 ; 766.25,-935 984.09,-935 ; 984.09,-935 1076.25,-935 ; 1076.25,-935 1332.77,-935
  Top Layer w20: R'16.2@-1617.01,2170 R'18.2@-1560.66,2170 -1556.88,2173.78 -1556.88,2203.84 -1548.6,2212.13 -1467.13,2212.13 -1416.51,2161.51 5V.1@-1416.51,2100 -1431.75,2084.76 -1431.75,1953.71 v1(-1435.45,1950)
  Top Layer w25: RA1.1@-2144.78,-769.43 -2144.08,-770.12 -2144.08,-898.96 M1.1@-2143.39,-899.65 ; v1(-1913.12,1685) -1921.4,1693.28 -1921.4,1842.67 -1849.07,1915 ADM.8@-1822.89,1915 ; Sh1.16@-1895,-345 -1895,-375.12 v1@-1855,-415.12 ; REG.3@-1723.04,397.76 -1585.21,397.76 -1468.75,514.21 -1468.75,529.15 -1457.63,540.28 DP2.2@-1457.63,551.1 ; v1@-1678.46,67.13 -1678.46,-83.68 -1636.23,-125.91 SO1.16@-1636.23,-156.02 ; CM13.1@-1442.79,1565 -1441.3,1566.5 -1441.3,1658.5 CM12.1@-1439.8,1660 ; SO1.10@-1336.23,-156.02 -1336.23,-69.57 -1250,16.66 v1@-1196.66,16.66 ; RA7.1@-1214.78,-769.43 -1214.08,-770.12 -1214.08,-898.96 M7.1@-1213.39,-899.65 ; Sh2.16@-712.5,-345 -712.5,-435.48 v1(-700,-447.98) ; v1(-480,-20) -480,-23.89 -453.73,-50.16 SO2.16@-453.73,-156.02 ; CR2.1@-328.9,1117.05 -324.74,1112.89 CR2.1@-310.81,1112.89 ; CR2.1@-310.81,1117.05 -310.81,1139.41 -323.9,1152.5 -323.9,1289.43 -294.47,1318.87 Reg2.3@-294.47,1326.37 ; Reg2.3@-301.97,1318.87 Reg2.3@-294.47,1326.37 ; Reg2.3@-294.47,1331.37 Reg2.3@-294.47,1326.37 ; CR3.1@-283.54,965 -310.81,992.26 CR2.1@-310.81,1112.89 ; DZ1.2@-252.84,1108.74 -256.99,1112.89 CR2.1@-310.81,1112.89 ; v1(-1.98,-218.34) -3.35,-219.71 -120.17,-219.71 -153.73,-186.14 -153.73,-56.31 -113,-15.58 -113,2 -55,60 197.9,60 342.9,205 646.93,205 ; Sh3.16@470,-345 470,-375.12 v1@509.44,-414.55 ; v1(653.56,-195.01) 657.45,-195.01 678.08,-174.38 728.08,-174.38 728.77,-173.69 728.77,123.16 646.93,205 ; v1@970,889.13 996.35,862.78 SO5.10@1131.02,862.78 ; v1@995,1565 SO6.10@1131.02,1565 ; SO3.10@1028.77,-156.02 1028.77,-44.4 1093.17,20 1093.17,122.16 990.33,225 666.93,225 646.93,205 ; v1(1037.68,1177.32) 1125.35,1265 SO6.16@1131.02,1265 ; v1(1122.74,509.42) 1120.06,512.09 1120.06,562.09 1120.75,562.78 SO5.16@1131.02,562.78 ; Sh5.16@1687.74,-345 1688.43,-345.69 1688.43,-458.17 v1(1690.5,-460.24)
  Top Layer w50: CR3.1@-283.54,965 -281.58,965 -156.95,840.37 -5.04,840.37 130.34,705 740.31,705 795,759.69 795,1535.18 848.69,1588.87 978.81,1588.87 v1(1000.35,1567.32)
  Bottom Layer w20: v1(-1455,1775.61) -1455,1925.21 -1435.45,1944.76 v1(-1435.45,1950)
  Bottom Layer w25: v1@-2300,-965.67 -2314.33,-980 -2380.36,-980 -2395,-965.36 -2395,-765 -2287.73,-657.73 -2287.73,-486.75 -2277.79,-476.8 -2277.79,-473.34 -2228.56,-424.11 v1(-1852.32,-424.11) -1777.47,-349.25 -798.73,-349.25 v1(-700,-447.98) -598.44,-447.98 -510.47,-360 454.88,-360 v1(510,-415.12) ; v1(-1913.12,1685) -1868.12,1730 -1736.87,1730 ; v1(-1675,55) -1625.98,55 ; v1(-1420.48,1654.38) -1423.23,1657.13 -1423.23,1676.75 -1434.29,1687.81 -1434.29,1751.01 -1455,1771.73 v1(-1455,1775.61) -1457.75,1778.36 -1457.75,1767.25 -1508.26,1716.74 -1723.61,1716.74 -1736.87,1730 ; v1(-480,-20) -428.25,-71.75 -230.55,-71.75 -77.3,-225 v1@-10.79,-225 ; v1@-480,-18.34 -498.34,0 -828.99,0 -935.74,-106.75 -1146.76,-106.75 -1200.18,-53.33 v1(-1200.18,15) -1317.31,-102.13 -1468.86,-102.13 -1625.98,55 ; v1@645.8,-200 510,-335.8 v1(510,-415.12) ; v1(1000.35,1567.32) 1039.72,1527.95 1039.72,954.74 v1(972.68,887.69) 982.31,887.69 1122.74,747.26 v1(1122.74,509.42) 1122.74,280.9 1234.73,168.9 1607.19,168.9 1760,16.1 1760,-114.72 1634.72,-240 685.12,-240 v1(510,-415.12) ; v1@1695,-456.98 1653.14,-415.12 v1(510,-415.12) ; -1736.87,1730 -1777.85,1689.02 -1777.85,1460 -1845.45,1392.4 -1845.45,1262.79 -2063.24,1045 -2175,1045 -2230,990 -2230,525 -2194.42,489.42 -2194.42,349.42 -2095,250 -1879.12,250 v1(-1724.7,404.42) -1451.25,404.42 -1329.54,282.71 -1329.54,234.48 -1389.02,175 -1565,175 -1625.98,114.02 -1625.98,55
WR_32: O1.2 P5.8 T33.3 | length 930.8
  Top Layer w25: O1.2@2380,-689.52 2379.76,-689.76 2271.92,-689.76 T33.3@2271.68,-690 2271.68,-800.27 2375.87,-904.45 2600.55,-904.45 2795,-710 P5.8@2795,-645
WR_33: O2.2 P5.7 T34.3 | length 628.5
  Top Layer w25: T34.3@2271.68,-532.5 2371.02,-532.5 O2.2@2380,-523.52 2399.63,-543.15 2399.63,-564.09 2452.41,-616.88 2516.27,-616.88 2638.15,-495 P5.7@2795,-495
WR_34: O3.2 P5.6 T35.3 | length 620.2
  Top Layer w25: T35.3@2271.68,-375 2278.18,-375 2295.66,-357.52 O3.2@2380,-357.52 2474.21,-451.74 2509.71,-451.74 2556.82,-404.63 2635,-404.63 2694.63,-345 2779.43,-345 2787.22,-337.22 P5.6@2795,-345
WR_35: O4.2 P5.5 T36.3 | length 598.6
  Top Layer w25: T36.3@2271.68,-217.5 2278.18,-217.5 2304.16,-191.52 O4.2@2380,-191.52 2459.62,-271.15 2511.1,-271.15 2544.63,-237.62 2617.38,-237.62 2660,-195 P5.5@2795,-195
WR_36: O5.2 P5.4 T37.3 | length 587
  Top Layer w25: T37.3@2271.68,-60 2278.18,-60 2312.66,-25.52 O5.2@2380,-25.52 2449.08,-94.61 2745.73,-94.61 2795,-45.34 P5.4@2795,-45
WR_37: O6.2 P5.3 T38.3 | length 555.8
  Top Layer w25: T38.3@2271.68,97.5 2278.18,97.5 2321.16,140.48 O6.2@2380,140.48 2415.47,105 P5.3@2795,105
WR_38: O7.2 P5.2 T39.3 | length 567.7
  Top Layer w25: T39.3@2271.68,255 2278.18,255 2312.1,288.93 2312.1,291.83 2326.75,306.48 O7.2@2380,306.48 2383.25,303.23 2433.25,303.23 2466.47,270 2660.42,270 2675.42,255 P5.2@2795,255
WR_39: O8.2 P5.1 T40.3 | length 576.1
  Top Layer w25: T40.3@2271.68,412.5 2272.37,413.19 2320.71,413.19 O8.2@2380,472.48 2402.47,450 2637.67,450 2682.67,405 P5.1@2795,405
WR_40: O9.2 P6.4 T41.3 | length 551.5
  Top Layer w25: T41.3@2271.68,570 2272.37,570.69 2312.21,570.69 O9.2@2380,638.48 2608.48,638.48 2620,650 P6.4@2790,650
WR_41: O10.2 P6.3 T42.3 | length 552.1
  Top Layer w25: T42.3@2271.68,727.5 2272.37,728.19 2303.71,728.19 O10.2@2380,804.48 2675.52,804.48 2680,800 P6.3@2790,800
WR_42: O11.2 P6.2 T43.3 | length 572.8
  Top Layer w25: T43.3@2271.68,885 2272.37,885.69 2295.21,885.69 O11.2@2380,970.48 2392.75,983.23 2744.36,983.23 2777.59,950 P6.2@2790,950
WR_43: O12.2 P6.1 T44.3 | length 596
  Top Layer w25: T44.3@2271.68,1042.51 2272.37,1043.19 2286.72,1043.19 O12.2@2380,1136.48 2383.25,1139.72 2427.32,1139.72 2452.6,1165 2725,1165 P6.1@2790,1100
WR_44: O13.2 P7.4 T45.3 | length 597.6
  Top Layer w20: T45.3@2271.68,1200.01 2279.56,1200.01 2281.37,1201.82 2281.37,1203.85 O13.2@2380,1302.48 2385.75,1308.22 2393.63,1308.22 2438.66,1353.26 2438.66,1355.32 2449.13,1365.79 2789.21,1365.79 P7.4@2790,1365
  Bottom Layer w20: P7.4@2784.41,1359.41 P7.4@2790,1365
WR_45: O14.2 P7.3 T46.3 | length 615.8
  Top Layer w20: T46.3@2271.68,1357.51 2279.56,1357.51 2281.37,1359.32 2281.37,1369.85 O14.2@2380,1468.48 2456.52,1545 2565,1545 2595,1515 P7.3@2790,1515
  Bottom Layer w20: P7.3@2789.13,1515.87 P7.3@2790,1515
WR_46: O15.2 P7.2 T47.3 | length 642.6
  Top Layer w20: T47.3@2271.68,1515.01 2279.56,1515.01 2281.37,1516.82 2281.37,1535.85 O15.2@2380,1634.48 2417.44,1671.92 2417.44,1675.2 2451.02,1708.78 2568.72,1708.78 2612.5,1665 P7.2@2790,1665
  Bottom Layer w20: P7.2@2780.94,1674.06 P7.2@2790,1665
WR_47: O16.2 P7.1 T48.3 | length 688.5
  Top Layer w20: T48.3@2271.68,1672.51 2279.56,1672.51 2281.37,1674.32 2281.37,1706.85 O16.2@2375,1800.48 2414.94,1840.42 2414.94,1843.25 2461.69,1890 2715,1890 P7.1@2790,1815
  Bottom Layer w20: P7.1@2770,1835 P7.1@2790,1815
pads on no net: "CIN. " C13.0 CM12.0 CR3.0 CR5.0 M1.0 M2.0 M3.0 M4.0 M5.0 M6.0 M7.0 M8.0 M9.0 M10.0 M11.0 M12.0 M13.0 M14.0 M15.0 M16.0 M17.0 M18.0 M19.0 M20.0 M21.0 M22.0 M23.0 M24.0 P9.5 Reg2.0 REG.0 Sh1.7 Sh2.7 Sh3.7 Sh3.10 Sh5.7 Sh5.10 SO6.9 STM.1 STM.2 STM.10 STM.11 STM.18 STM.19 STM.21 STM.22 STM.25 STM.39 STM.40 T1.0 T2.0 T3.0 T4.0 T5.0 T6.0 T7.0 T8.0 T9.0 T10.0 T11.0 T12.0 T13.0 T14.0 T15.0 T16.0 T17.0 T18.0 T19.0 T20.0 T21.0 T22.0 T23.0 T24.0 T33.0 T34.0 T35.0 T36.0 T37.0 T38.0 T39.0 T40.0 T41.0 T42.0 T43.0 T44.0 T45.0 T46.0 T47.0 T48.0 usb.1 Y3.3

## Polygon pours and split planes (outlines as drawn)
GND on Bottom Layer "Bottom Layer-No Net" (solid, remove dead copper, pour order 0): -2130,1925 1445,1925 1341.27,-424.11 -2233.36,-1290

## Keep-outs
Keep-Out Layer:
  the board outline again, w10

## Silkscreen, mask and mechanical layers (free items; w line width, h text height)
Top Overlay:
  drawing of 709 lines, arcs and shapes, not listed
  text "G" at 950,1863.98 h50 r90
  text "MI" at 1145,1845 h50 r90
  text "MO" at 1250,1838.99 h50 r90
  text "3V3" at 725,1813.99 h50 r90
  text "RST" at 846.23,1813.99 h50 r90
  text "SDA" at 1475,1813.99 h50 r90
  text "SCK" at 1341.27,1813.19 h50 r90
  text "20" at 2595,1790 h50
  text "10" at 2600,1634.48 h50
  text "IDC" at 2590,1485 h50
  text "WIT" at 2590,1325 h50
  text "RGT" at 2585,1070 h50
  text "LFT" at 2590,920 h50
  text "OUT" at 2585,760 h50
  text "(-)" at 2584.41,603.9 h50
  text "24V" at -2190,414.29 h50
  text "CON" at 2595,375 h50
  text "HBS" at 693.4,319.3 h150
  text "G" at 2619.68,229.45 h60
  text "GND" at -2194.42,210 h50
  text "V1.0D0206" at 281.2,184.3 h170
  text "F" at 2619.68,69.04 h60
  text "Panel ID" at -907.18,55 h60
  text "Parallel ID" at -225,50 h60
  text "E" at 2619.68,-83.74 h60
  text "D" at 2619.68,-235.36 h60
  text "C" at 2619.68,-385.36 h60
  text "B" at 2619.68,-535.36 h60
  text "A" at 2619.68,-695.36 h60
  text "F1" at -2215,-1690 h47.24
  text "F2" at -2090,-1690 h47.24
  text "F3" at -1940.53,-1690 h47.24
  text "F4" at -1794.5,-1690 h47.24
  text "F5" at -1643.65,-1690 h47.24
  text "F6" at -1486.12,-1690 h47.24
  text "F7" at -1343.4,-1690 h47.24
  text "F8" at -1195.73,-1690 h47.24
  text "F9" at -1037.61,-1690 h47.24
  text "F10" at -894.34,-1690 h47.24
  text "F11" at -675,-1690 h40
  text "F12" at -510,-1690 h40
  text "F13" at -360,-1690 h40
  text "F14" at -212.64,-1690 h40
  text "F15" at -65,-1690 h40
  text "F16" at 90,-1690 h40
  text "WCH" at 234.93,-1690 h40
  text "TLL" at 386.09,-1690 h40
  text "P1" at 561.2,-1690 h40
  text "P2" at 703.36,-1690 h40
  text "P3" at 941.21,-1690 h39.37
  text "P4" at 1105.91,-1690 h39.37
  text "P5" at 1262.14,-1690 h39.37
  text "P6" at 1416.01,-1690 h39.37